# Altium PCB QuadroRiser.PcbDoc (part 3 of 3)
Units mil, origin at the board's own origin, x right, y up, seen from the top; angles counter-clockwise.
Board outline 3704.72 x 1651.89 mil, 4 copper layers (Top Layer, Power Plane, Ground Plane, Bottom Layer), stack 61.634 mil thick; 2 components, 91 nets, 330 pads, 57 vias.
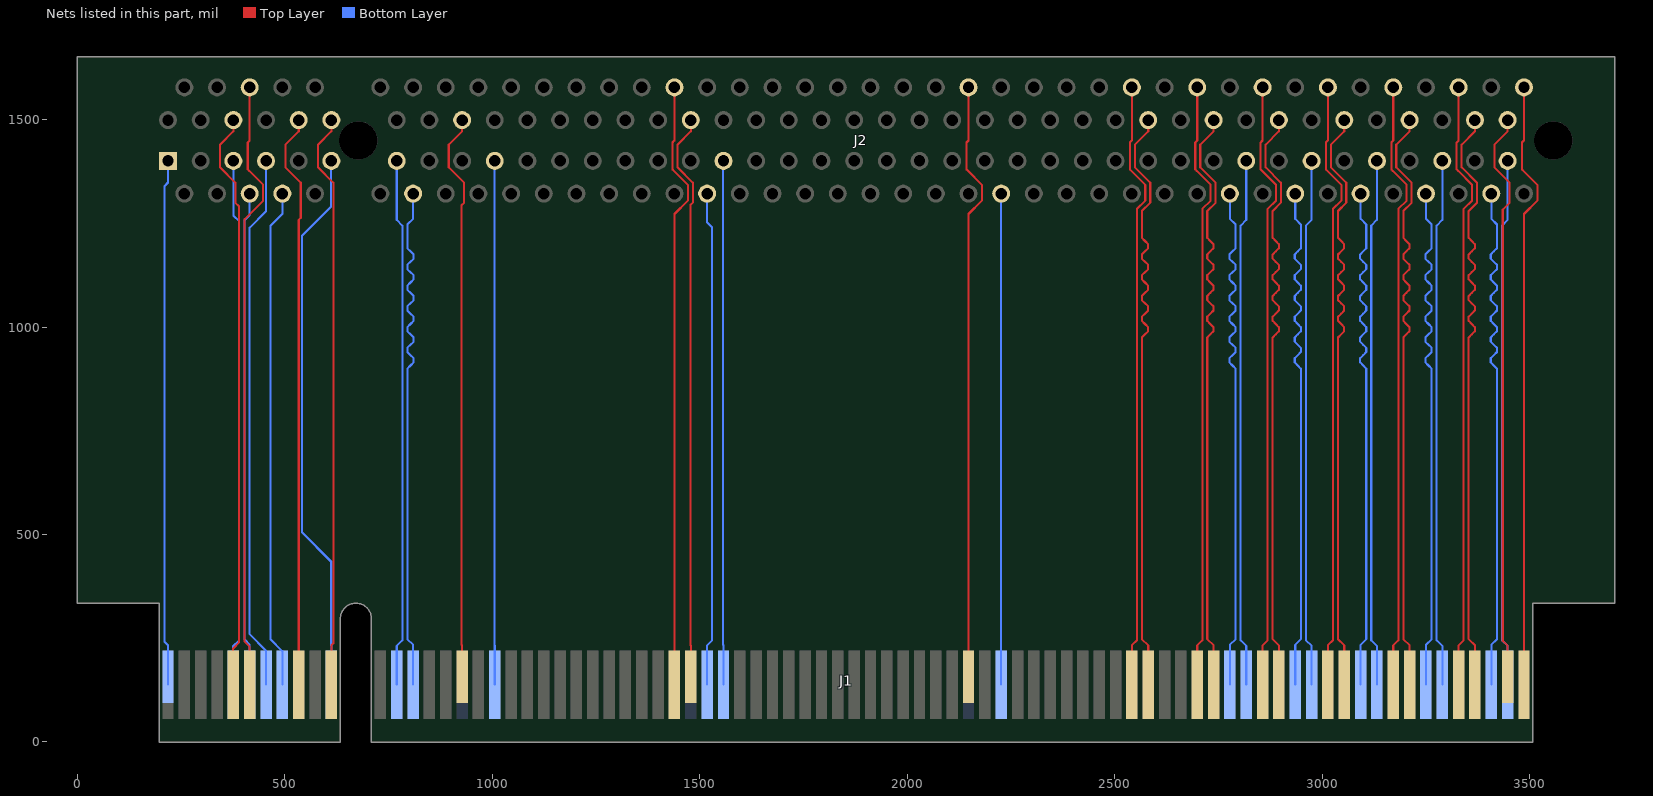
[diagram p5: the nets of this part, all layers, seen from the top]

## Via types
v1: diameter 25, hole 15, Top Layer to Bottom Layer, 57 vias

## Nets (pads, with @x,y where several pads share a name; then routed paths per layer and width w, separated by ;. In a path a pad name is that pad's centre, name@x,y a point inside that pad or via, vN(x,y) a via of type N, cw(c..) or ccw(c..) an arc to the next point about the centre after c; other vN are vias at no path point) (continued)
L10TX_N: J1.141 J2.141 | length 1813.1
  Top Layer w5: J1.141@2580.71,138.15 2580.71,232.83 2565.54,248 2565.54,934.72 ; J2.141@2580.71,1498.78 2580.71,1471.89 2548.54,1439.72 2548.54,1384.72 2585.54,1347.72 2585.54,1299.75 2565.54,1279.75 2565.54,1219.72 ; 2565.54,934.72 2565.54,957.22 ; 2565.54,934.72 2565.54,957.22 ; 2565.54,957.22 2565.54,974.72 ; 2565.54,957.22 2565.54,974.72 ; 2565.54,974.72 2573.04,982.22 ; 2565.54,974.72 2573.04,982.22 ; 2565.54,1014.72 2573.04,1007.22 ; 2565.54,1014.72 2565.54,1024.72 ; 2565.54,1014.72 2573.04,1007.22 ; 2565.54,1014.72 2565.54,1024.72 ; 2565.54,1024.72 2573.04,1032.22 ; 2565.54,1024.72 2573.04,1032.22 ; 2565.54,1064.72 2573.04,1057.22 ; 2565.54,1064.72 2565.54,1074.72 ; 2565.54,1064.72 2573.04,1057.22 ; 2565.54,1064.72 2565.54,1074.72 ; 2565.54,1074.72 2573.04,1082.22 ; 2565.54,1074.72 2573.04,1082.22 ; 2565.54,1114.72 2573.04,1107.22 ; 2565.54,1114.72 2565.54,1124.72 ; 2565.54,1114.72 2573.04,1107.22 ; 2565.54,1114.72 2565.54,1124.72 ; 2565.54,1124.72 2573.04,1132.22 ; 2565.54,1124.72 2573.04,1132.22 ; 2565.54,1164.72 2573.04,1157.22 ; 2565.54,1164.72 2565.54,1174.72 ; 2565.54,1164.72 2573.04,1157.22 ; 2565.54,1164.72 2565.54,1174.72 ; 2565.54,1174.72 2573.04,1182.22 ; 2565.54,1174.72 2573.04,1182.22 ; 2565.54,1214.72 2565.54,1219.72 ; 2565.54,1214.72 2573.04,1207.22 ; 2565.54,1214.72 2565.54,1219.72 ; 2565.54,1214.72 2573.04,1207.22 ; 2573.04,982.22 2580.54,989.72 ; 2573.04,982.22 2580.54,989.72 ; 2573.04,1007.22 2580.54,999.72 ; 2573.04,1007.22 2580.54,999.72 ; 2573.04,1032.22 2580.54,1039.72 ; 2573.04,1032.22 2580.54,1039.72 ; 2573.04,1057.22 2580.54,1049.72 ; 2573.04,1057.22 2580.54,1049.72 ; 2573.04,1082.22 2580.54,1089.72 ; 2573.04,1082.22 2580.54,1089.72 ; 2573.04,1107.22 2580.54,1099.72 ; 2573.04,1107.22 2580.54,1099.72 ; 2573.04,1132.22 2580.54,1139.72 ; 2573.04,1132.22 2580.54,1139.72 ; 2573.04,1157.22 2580.54,1149.72 ; 2573.04,1157.22 2580.54,1149.72 ; 2573.04,1182.22 2580.54,1189.72 ; 2573.04,1182.22 2580.54,1189.72 ; 2573.04,1207.22 2580.54,1199.72 ; 2573.04,1207.22 2580.54,1199.72 ; 2580.54,989.72 2580.54,999.72 ; 2580.54,989.72 2580.54,999.72 ; 2580.54,1039.72 2580.54,1049.72 ; 2580.54,1039.72 2580.54,1049.72 ; 2580.54,1089.72 2580.54,1099.72 ; 2580.54,1089.72 2580.54,1099.72 ; 2580.54,1139.72 2580.54,1149.72 ; 2580.54,1139.72 2580.54,1149.72 ; 2580.54,1189.72 2580.54,1199.72 ; 2580.54,1189.72 2580.54,1199.72
L10TX_P: J1.140 J2.140 | length 1475.3
  Top Layer w5: J1.140@2541.34,138.15 2541.34,232.79 2553.54,245 2553.54,962.5 ; J2.140@2541.34,1577.52 2541.34,1449.49 2540.06,1448.21 2536.54,1444.69 2536.54,1379.75 2540.06,1376.24 2573.54,1342.75 2573.54,1304.72 2553.54,1284.72 2553.54,1199.72 2553.54,1174.72 2553.54,1149.72 2553.54,1124.72 2553.54,1099.72 2553.54,1049.72 2553.54,999.72 2553.54,957.22
L11RX_N: J1.65 J2.65 | length 1278.8
  Bottom Layer w5: 2803.24,882.22 2803.24,899.72 2803.24,914.72 2803.24,924.72 2803.24,939.72 2803.24,949.72 2803.24,964.72 2803.24,974.72 2803.24,989.72 2803.24,999.72 2803.24,1014.72 2803.24,1024.72 2803.24,1039.72 2803.24,1049.72 2803.24,1064.72 2803.24,1074.72 2803.24,1089.72 2803.24,1099.72 2803.24,1114.72 2803.24,1124.72 2803.24,1139.72 2803.24,1149.72 2803.24,1164.72 2803.24,1174.72 2803.24,1189.72 2803.24,1207.22 2803.24,1219.72 2803.24,1244.46 2816.93,1258.15 J2.65@2816.93,1400.35 ; 2803.24,887.5 2803.24,245.26 2816.93,231.57 J1.65@2816.93,138.15
L11RX_P: J1.64 J2.64 | length 1269.4
  Bottom Layer w5: J1.64@2777.56,138.15 2777.56,234.05 2791.24,247.74 2791.24,879.72 2791.24,882.22 2791.24,899.72 2783.74,907.22 2776.24,914.72 2776.24,924.72 2783.74,932.22 2791.24,939.72 2791.24,949.72 2783.74,957.22 2776.24,964.72 2776.24,974.72 2783.74,982.22 2791.24,989.72 2791.24,999.72 2783.74,1007.22 2776.24,1014.72 2776.24,1024.72 2783.74,1032.22 2791.24,1039.72 2791.24,1049.72 2783.74,1057.22 2776.24,1064.72 2776.24,1074.72 2783.74,1082.22 2791.24,1089.72 2791.24,1099.72 2783.74,1107.22 2776.24,1114.72 2776.24,1124.72 2783.74,1132.22 2791.24,1139.72 2791.24,1149.72 2783.74,1157.22 2776.24,1164.72 2776.24,1174.72 2783.74,1182.22 2791.24,1189.72 2791.24,1207.22 2791.24,1219.72 2791.24,1246.98 2777.56,1260.67 J2.64@2777.56,1321.61
L11TX_N: J1.145 J2.145 | length 1813.1
  Top Layer w5: J1.145@2738.19,138.15 2738.19,232.83 2723.02,248 2723.02,934.72 ; J2.145@2738.19,1498.78 2738.19,1471.89 2706.02,1439.72 2706.02,1384.72 2743.02,1347.72 2743.02,1299.75 2723.02,1279.75 2723.02,1219.72 ; 2723.02,934.72 2723.02,957.22 ; 2723.02,934.72 2723.02,957.22 ; 2723.02,957.22 2723.02,974.72 ; 2723.02,957.22 2723.02,974.72 ; 2723.02,974.72 2730.52,982.22 ; 2723.02,974.72 2730.52,982.22 ; 2723.02,1014.72 2730.52,1007.22 ; 2723.02,1014.72 2723.02,1024.72 ; 2723.02,1014.72 2730.52,1007.22 ; 2723.02,1014.72 2723.02,1024.72 ; 2723.02,1024.72 2730.52,1032.22 ; 2723.02,1024.72 2730.52,1032.22 ; 2723.02,1064.72 2730.52,1057.22 ; 2723.02,1064.72 2723.02,1074.72 ; 2723.02,1064.72 2730.52,1057.22 ; 2723.02,1064.72 2723.02,1074.72 ; 2723.02,1074.72 2730.52,1082.22 ; 2723.02,1074.72 2730.52,1082.22 ; 2723.02,1114.72 2730.52,1107.22 ; 2723.02,1114.72 2723.02,1124.72 ; 2723.02,1114.72 2730.52,1107.22 ; 2723.02,1114.72 2723.02,1124.72 ; 2723.02,1124.72 2730.52,1132.22 ; 2723.02,1124.72 2730.52,1132.22 ; 2723.02,1164.72 2730.52,1157.22 ; 2723.02,1164.72 2723.02,1174.72 ; 2723.02,1164.72 2730.52,1157.22 ; 2723.02,1164.72 2723.02,1174.72 ; 2723.02,1174.72 2730.52,1182.22 ; 2723.02,1174.72 2730.52,1182.22 ; 2723.02,1214.72 2723.02,1219.72 ; 2723.02,1214.72 2730.52,1207.22 ; 2723.02,1214.72 2723.02,1219.72 ; 2723.02,1214.72 2730.52,1207.22 ; 2730.52,982.22 2738.02,989.72 ; 2730.52,982.22 2738.02,989.72 ; 2730.52,1007.22 2738.02,999.72 ; 2730.52,1007.22 2738.02,999.72 ; 2730.52,1032.22 2738.02,1039.72 ; 2730.52,1032.22 2738.02,1039.72 ; 2730.52,1057.22 2738.02,1049.72 ; 2730.52,1057.22 2738.02,1049.72 ; 2730.52,1082.22 2738.02,1089.72 ; 2730.52,1082.22 2738.02,1089.72 ; 2730.52,1107.22 2738.02,1099.72 ; 2730.52,1107.22 2738.02,1099.72 ; 2730.52,1132.22 2738.02,1139.72 ; 2730.52,1132.22 2738.02,1139.72 ; 2730.52,1157.22 2738.02,1149.72 ; 2730.52,1157.22 2738.02,1149.72 ; 2730.52,1182.22 2738.02,1189.72 ; 2730.52,1182.22 2738.02,1189.72 ; 2730.52,1207.22 2738.02,1199.72 ; 2730.52,1207.22 2738.02,1199.72 ; 2738.02,989.72 2738.02,999.72 ; 2738.02,989.72 2738.02,999.72 ; 2738.02,1039.72 2738.02,1049.72 ; 2738.02,1039.72 2738.02,1049.72 ; 2738.02,1089.72 2738.02,1099.72 ; 2738.02,1089.72 2738.02,1099.72 ; 2738.02,1139.72 2738.02,1149.72 ; 2738.02,1139.72 2738.02,1149.72 ; 2738.02,1189.72 2738.02,1199.72 ; 2738.02,1189.72 2738.02,1199.72
L11TX_P: J1.144 J2.144 | length 1475.3
  Top Layer w5: J1.144@2698.82,138.15 2698.82,232.79 2711.02,245 2711.02,962.5 ; J2.144@2698.82,1577.52 2698.82,1449.49 2697.54,1448.21 2694.02,1444.69 2694.02,1379.75 2697.54,1376.24 2731.02,1342.75 2731.02,1304.72 2711.02,1284.72 2711.02,1199.72 2711.02,1174.72 2711.02,1149.72 2711.02,1124.72 2711.02,1099.72 2711.02,1049.72 2711.02,999.72 2711.02,957.22
L12RX_N: J1.69 J2.69 | length 1278.8
  Bottom Layer w5: 2960.72,882.22 2960.72,899.72 2960.72,914.72 2960.72,924.72 2960.72,939.72 2960.72,949.72 2960.72,964.72 2960.72,974.72 2960.72,989.72 2960.72,999.72 2960.72,1014.72 2960.72,1024.72 2960.72,1039.72 2960.72,1049.72 2960.72,1064.72 2960.72,1074.72 2960.72,1089.72 2960.72,1099.72 2960.72,1114.72 2960.72,1124.72 2960.72,1139.72 2960.72,1149.72 2960.72,1164.72 2960.72,1174.72 2960.72,1189.72 2960.72,1207.22 2960.72,1219.72 2960.72,1244.46 2974.41,1258.15 J2.69@2974.41,1400.35 ; 2960.72,887.5 2960.72,245.26 2974.41,231.57 J1.69@2974.41,138.15
L12RX_P: J1.68 J2.68 | length 1269.4
  Bottom Layer w5: J1.68@2935.04,138.15 2935.04,234.05 2948.72,247.74 2948.72,879.72 2948.72,882.22 2948.72,899.72 2941.22,907.22 2933.72,914.72 2933.72,924.72 2941.22,932.22 2948.72,939.72 2948.72,949.72 2941.22,957.22 2933.72,964.72 2933.72,974.72 2941.22,982.22 2948.72,989.72 2948.72,999.72 2941.22,1007.22 2933.72,1014.72 2933.72,1024.72 2941.22,1032.22 2948.72,1039.72 2948.72,1049.72 2941.22,1057.22 2933.72,1064.72 2933.72,1074.72 2941.22,1082.22 2948.72,1089.72 2948.72,1099.72 2941.22,1107.22 2933.72,1114.72 2933.72,1124.72 2941.22,1132.22 2948.72,1139.72 2948.72,1149.72 2941.22,1157.22 2933.72,1164.72 2933.72,1174.72 2941.22,1182.22 2948.72,1189.72 2948.72,1207.22 2948.72,1219.72 2948.72,1246.98 2935.04,1260.67 J2.68@2935.04,1321.61
L12TX_N: J1.149 J2.149 | length 1813.1
  Top Layer w5: J1.149@2895.67,138.15 2895.67,232.83 2880.5,248 2880.5,934.72 ; J2.149@2895.67,1498.78 2895.67,1471.89 2863.5,1439.72 2863.5,1384.72 2900.5,1347.72 2900.5,1299.75 2880.5,1279.75 2880.5,1219.72 ; 2880.5,934.72 2880.5,957.22 ; 2880.5,934.72 2880.5,957.22 ; 2880.5,957.22 2880.5,974.72 ; 2880.5,957.22 2880.5,974.72 ; 2880.5,974.72 2888,982.22 ; 2880.5,974.72 2888,982.22 ; 2880.5,1014.72 2888,1007.22 ; 2880.5,1014.72 2880.5,1024.72 ; 2880.5,1014.72 2888,1007.22 ; 2880.5,1014.72 2880.5,1024.72 ; 2880.5,1024.72 2888,1032.22 ; 2880.5,1024.72 2888,1032.22 ; 2880.5,1064.72 2888,1057.22 ; 2880.5,1064.72 2880.5,1074.72 ; 2880.5,1064.72 2888,1057.22 ; 2880.5,1064.72 2880.5,1074.72 ; 2880.5,1074.72 2888,1082.22 ; 2880.5,1074.72 2888,1082.22 ; 2880.5,1114.72 2888,1107.22 ; 2880.5,1114.72 2880.5,1124.72 ; 2880.5,1114.72 2888,1107.22 ; 2880.5,1114.72 2880.5,1124.72 ; 2880.5,1124.72 2888,1132.22 ; 2880.5,1124.72 2888,1132.22 ; 2880.5,1164.72 2888,1157.22 ; 2880.5,1164.72 2880.5,1174.72 ; 2880.5,1164.72 2888,1157.22 ; 2880.5,1164.72 2880.5,1174.72 ; 2880.5,1174.72 2888,1182.22 ; 2880.5,1174.72 2888,1182.22 ; 2880.5,1214.72 2880.5,1219.72 ; 2880.5,1214.72 2888,1207.22 ; 2880.5,1214.72 2880.5,1219.72 ; 2880.5,1214.72 2888,1207.22 ; 2888,982.22 2895.5,989.72 ; 2888,982.22 2895.5,989.72 ; 2888,1007.22 2895.5,999.72 ; 2888,1007.22 2895.5,999.72 ; 2888,1032.22 2895.5,1039.72 ; 2888,1032.22 2895.5,1039.72 ; 2888,1057.22 2895.5,1049.72 ; 2888,1057.22 2895.5,1049.72 ; 2888,1082.22 2895.5,1089.72 ; 2888,1082.22 2895.5,1089.72 ; 2888,1107.22 2895.5,1099.72 ; 2888,1107.22 2895.5,1099.72 ; 2888,1132.22 2895.5,1139.72 ; 2888,1132.22 2895.5,1139.72 ; 2888,1157.22 2895.5,1149.72 ; 2888,1157.22 2895.5,1149.72 ; 2888,1182.22 2895.5,1189.72 ; 2888,1182.22 2895.5,1189.72 ; 2888,1207.22 2895.5,1199.72 ; 2888,1207.22 2895.5,1199.72 ; 2895.5,989.72 2895.5,999.72 ; 2895.5,989.72 2895.5,999.72 ; 2895.5,1039.72 2895.5,1049.72 ; 2895.5,1039.72 2895.5,1049.72 ; 2895.5,1089.72 2895.5,1099.72 ; 2895.5,1089.72 2895.5,1099.72 ; 2895.5,1139.72 2895.5,1149.72 ; 2895.5,1139.72 2895.5,1149.72 ; 2895.5,1189.72 2895.5,1199.72 ; 2895.5,1189.72 2895.5,1199.72
L12TX_P: J1.148 J2.148 | length 1475.3
  Top Layer w5: J1.148@2856.3,138.15 2856.3,232.79 2868.5,245 2868.5,962.5 ; J2.148@2856.3,1577.52 2856.3,1449.49 2855.02,1448.21 2851.5,1444.69 2851.5,1379.75 2855.02,1376.24 2888.5,1342.75 2888.5,1304.72 2868.5,1284.72 2868.5,1199.72 2868.5,1174.72 2868.5,1149.72 2868.5,1124.72 2868.5,1099.72 2868.5,1049.72 2868.5,999.72 2868.5,957.22
L13RX_N: J1.73 J2.73 | length 1278.8
  Bottom Layer w5: 3118.2,882.22 3118.2,899.72 3118.2,914.72 3118.2,924.72 3118.2,939.72 3118.2,949.72 3118.2,964.72 3118.2,974.72 3118.2,989.72 3118.2,999.72 3118.2,1014.72 3118.2,1024.72 3118.2,1039.72 3118.2,1049.72 3118.2,1064.72 3118.2,1074.72 3118.2,1089.72 3118.2,1099.72 3118.2,1114.72 3118.2,1124.72 3118.2,1139.72 3118.2,1149.72 3118.2,1164.72 3118.2,1174.72 3118.2,1189.72 3118.2,1207.22 3118.2,1219.72 3118.2,1244.46 3131.89,1258.15 J2.73@3131.89,1400.35 ; 3118.2,887.5 3118.2,245.26 3131.89,231.57 J1.73@3131.89,138.15
L13RX_P: J1.72 J2.72 | length 1269.4
  Bottom Layer w5: J1.72@3092.52,138.15 3092.52,234.05 3106.2,247.74 3106.2,879.72 3106.2,882.22 3106.2,899.72 3098.7,907.22 3091.2,914.72 3091.2,924.72 3098.7,932.22 3106.2,939.72 3106.2,949.72 3098.7,957.22 3091.2,964.72 3091.2,974.72 3098.7,982.22 3106.2,989.72 3106.2,999.72 3098.7,1007.22 3091.2,1014.72 3091.2,1024.72 3098.7,1032.22 3106.2,1039.72 3106.2,1049.72 3098.7,1057.22 3091.2,1064.72 3091.2,1074.72 3098.7,1082.22 3106.2,1089.72 3106.2,1099.72 3098.7,1107.22 3091.2,1114.72 3091.2,1124.72 3098.7,1132.22 3106.2,1139.72 3106.2,1149.72 3098.7,1157.22 3091.2,1164.72 3091.2,1174.72 3098.7,1182.22 3106.2,1189.72 3106.2,1207.22 3106.2,1219.72 3106.2,1246.98 3092.52,1260.67 J2.72@3092.52,1321.61
L13TX_N: J1.153 J2.153 | length 1813.1
  Top Layer w5: J1.153@3053.15,138.15 3053.15,232.83 3037.98,248 3037.98,934.72 ; J2.153@3053.15,1498.78 3053.15,1471.89 3020.98,1439.72 3020.98,1384.72 3057.98,1347.72 3057.98,1299.75 3037.98,1279.75 3037.98,1219.72 ; 3037.98,934.72 3037.98,957.22 ; 3037.98,934.72 3037.98,957.22 ; 3037.98,957.22 3037.98,974.72 ; 3037.98,957.22 3037.98,974.72 ; 3037.98,974.72 3045.48,982.22 ; 3037.98,974.72 3045.48,982.22 ; 3037.98,1014.72 3045.48,1007.22 ; 3037.98,1014.72 3037.98,1024.72 ; 3037.98,1014.72 3045.48,1007.22 ; 3037.98,1014.72 3037.98,1024.72 ; 3037.98,1024.72 3045.48,1032.22 ; 3037.98,1024.72 3045.48,1032.22 ; 3037.98,1064.72 3045.48,1057.22 ; 3037.98,1064.72 3037.98,1074.72 ; 3037.98,1064.72 3045.48,1057.22 ; 3037.98,1064.72 3037.98,1074.72 ; 3037.98,1074.72 3045.48,1082.22 ; 3037.98,1074.72 3045.48,1082.22 ; 3037.98,1114.72 3045.48,1107.22 ; 3037.98,1114.72 3037.98,1124.72 ; 3037.98,1114.72 3045.48,1107.22 ; 3037.98,1114.72 3037.98,1124.72 ; 3037.98,1124.72 3045.48,1132.22 ; 3037.98,1124.72 3045.48,1132.22 ; 3037.98,1164.72 3045.48,1157.22 ; 3037.98,1164.72 3037.98,1174.72 ; 3037.98,1164.72 3045.48,1157.22 ; 3037.98,1164.72 3037.98,1174.72 ; 3037.98,1174.72 3045.48,1182.22 ; 3037.98,1174.72 3045.48,1182.22 ; 3037.98,1214.72 3037.98,1219.72 ; 3037.98,1214.72 3045.48,1207.22 ; 3037.98,1214.72 3037.98,1219.72 ; 3037.98,1214.72 3045.48,1207.22 ; 3045.48,982.22 3052.98,989.72 ; 3045.48,982.22 3052.98,989.72 ; 3045.48,1007.22 3052.98,999.72 ; 3045.48,1007.22 3052.98,999.72 ; 3045.48,1032.22 3052.98,1039.72 ; 3045.48,1032.22 3052.98,1039.72 ; 3045.48,1057.22 3052.98,1049.72 ; 3045.48,1057.22 3052.98,1049.72 ; 3045.48,1082.22 3052.98,1089.72 ; 3045.48,1082.22 3052.98,1089.72 ; 3045.48,1107.22 3052.98,1099.72 ; 3045.48,1107.22 3052.98,1099.72 ; 3045.48,1132.22 3052.98,1139.72 ; 3045.48,1132.22 3052.98,1139.72 ; 3045.48,1157.22 3052.98,1149.72 ; 3045.48,1157.22 3052.98,1149.72 ; 3045.48,1182.22 3052.98,1189.72 ; 3045.48,1182.22 3052.98,1189.72 ; 3045.48,1207.22 3052.98,1199.72 ; 3045.48,1207.22 3052.98,1199.72 ; 3052.98,989.72 3052.98,999.72 ; 3052.98,989.72 3052.98,999.72 ; 3052.98,1039.72 3052.98,1049.72 ; 3052.98,1039.72 3052.98,1049.72 ; 3052.98,1089.72 3052.98,1099.72 ; 3052.98,1089.72 3052.98,1099.72 ; 3052.98,1139.72 3052.98,1149.72 ; 3052.98,1139.72 3052.98,1149.72 ; 3052.98,1189.72 3052.98,1199.72 ; 3052.98,1189.72 3052.98,1199.72
L13TX_P: J1.152 J2.152 | length 1475.3
  Top Layer w5: J1.152@3013.78,138.15 3013.78,232.79 3025.98,245 3025.98,962.5 ; J2.152@3013.78,1577.52 3013.78,1449.49 3012.5,1448.21 3008.98,1444.69 3008.98,1379.75 3012.5,1376.24 3045.98,1342.75 3045.98,1304.72 3025.98,1284.72 3025.98,1199.72 3025.98,1174.72 3025.98,1149.72 3025.98,1124.72 3025.98,1099.72 3025.98,1049.72 3025.98,999.72 3025.98,957.22
L14RX_N: J1.77 J2.77 | length 1278.8
  Bottom Layer w5: 3275.68,882.22 3275.68,899.72 3275.68,914.72 3275.68,924.72 3275.68,939.72 3275.68,949.72 3275.68,964.72 3275.68,974.72 3275.68,989.72 3275.68,999.72 3275.68,1014.72 3275.68,1024.72 3275.68,1039.72 3275.68,1049.72 3275.68,1064.72 3275.68,1074.72 3275.68,1089.72 3275.68,1099.72 3275.68,1114.72 3275.68,1124.72 3275.68,1139.72 3275.68,1149.72 3275.68,1164.72 3275.68,1174.72 3275.68,1189.72 3275.68,1207.22 3275.68,1219.72 3275.68,1244.46 3289.37,1258.15 J2.77@3289.37,1400.35 ; 3275.68,887.5 3275.68,245.26 3289.37,231.57 J1.77@3289.37,138.15
L14RX_P: J1.76 J2.76 | length 1269.4
  Bottom Layer w5: J1.76@3250,138.15 3250,234.05 3263.68,247.74 3263.68,879.72 3263.68,882.22 3263.68,899.72 3256.18,907.22 3248.68,914.72 3248.68,924.72 3256.18,932.22 3263.68,939.72 3263.68,949.72 3256.18,957.22 3248.68,964.72 3248.68,974.72 3256.18,982.22 3263.68,989.72 3263.68,999.72 3256.18,1007.22 3248.68,1014.72 3248.68,1024.72 3256.18,1032.22 3263.68,1039.72 3263.68,1049.72 3256.18,1057.22 3248.68,1064.72 3248.68,1074.72 3256.18,1082.22 3263.68,1089.72 3263.68,1099.72 3256.18,1107.22 3248.68,1114.72 3248.68,1124.72 3256.18,1132.22 3263.68,1139.72 3263.68,1149.72 3256.18,1157.22 3248.68,1164.72 3248.68,1174.72 3256.18,1182.22 3263.68,1189.72 3263.68,1207.22 3263.68,1219.72 3263.68,1246.98 3250,1260.67 J2.76@3250,1321.61
L14TX_N: J1.157 J2.157 | length 1813.1
  Top Layer w5: J1.157@3210.63,138.15 3210.63,232.83 3195.46,248 3195.46,934.72 ; J2.157@3210.63,1498.78 3210.63,1471.89 3178.46,1439.72 3178.46,1384.72 3215.46,1347.72 3215.46,1299.75 3195.46,1279.75 3195.46,1219.72 ; 3195.46,934.72 3195.46,957.22 ; 3195.46,934.72 3195.46,957.22 ; 3195.46,957.22 3195.46,974.72 ; 3195.46,957.22 3195.46,974.72 ; 3195.46,974.72 3202.96,982.22 ; 3195.46,974.72 3202.96,982.22 ; 3195.46,1014.72 3202.96,1007.22 ; 3195.46,1014.72 3195.46,1024.72 ; 3195.46,1014.72 3202.96,1007.22 ; 3195.46,1014.72 3195.46,1024.72 ; 3195.46,1024.72 3202.96,1032.22 ; 3195.46,1024.72 3202.96,1032.22 ; 3195.46,1064.72 3202.96,1057.22 ; 3195.46,1064.72 3195.46,1074.72 ; 3195.46,1064.72 3202.96,1057.22 ; 3195.46,1064.72 3195.46,1074.72 ; 3195.46,1074.72 3202.96,1082.22 ; 3195.46,1074.72 3202.96,1082.22 ; 3195.46,1114.72 3202.96,1107.22 ; 3195.46,1114.72 3195.46,1124.72 ; 3195.46,1114.72 3202.96,1107.22 ; 3195.46,1114.72 3195.46,1124.72 ; 3195.46,1124.72 3202.96,1132.22 ; 3195.46,1124.72 3202.96,1132.22 ; 3195.46,1164.72 3202.96,1157.22 ; 3195.46,1164.72 3195.46,1174.72 ; 3195.46,1164.72 3202.96,1157.22 ; 3195.46,1164.72 3195.46,1174.72 ; 3195.46,1174.72 3202.96,1182.22 ; 3195.46,1174.72 3202.96,1182.22 ; 3195.46,1214.72 3195.46,1219.72 ; 3195.46,1214.72 3202.96,1207.22 ; 3195.46,1214.72 3195.46,1219.72 ; 3195.46,1214.72 3202.96,1207.22 ; 3202.96,982.22 3210.46,989.72 ; 3202.96,982.22 3210.46,989.72 ; 3202.96,1007.22 3210.46,999.72 ; 3202.96,1007.22 3210.46,999.72 ; 3202.96,1032.22 3210.46,1039.72 ; 3202.96,1032.22 3210.46,1039.72 ; 3202.96,1057.22 3210.46,1049.72 ; 3202.96,1057.22 3210.46,1049.72 ; 3202.96,1082.22 3210.46,1089.72 ; 3202.96,1082.22 3210.46,1089.72 ; 3202.96,1107.22 3210.46,1099.72 ; 3202.96,1107.22 3210.46,1099.72 ; 3202.96,1132.22 3210.46,1139.72 ; 3202.96,1132.22 3210.46,1139.72 ; 3202.96,1157.22 3210.46,1149.72 ; 3202.96,1157.22 3210.46,1149.72 ; 3202.96,1182.22 3210.46,1189.72 ; 3202.96,1182.22 3210.46,1189.72 ; 3202.96,1207.22 3210.46,1199.72 ; 3202.96,1207.22 3210.46,1199.72 ; 3210.46,989.72 3210.46,999.72 ; 3210.46,989.72 3210.46,999.72 ; 3210.46,1039.72 3210.46,1049.72 ; 3210.46,1039.72 3210.46,1049.72 ; 3210.46,1089.72 3210.46,1099.72 ; 3210.46,1089.72 3210.46,1099.72 ; 3210.46,1139.72 3210.46,1149.72 ; 3210.46,1139.72 3210.46,1149.72 ; 3210.46,1189.72 3210.46,1199.72 ; 3210.46,1189.72 3210.46,1199.72
L14TX_P: J1.156 J2.156 | length 1475.3
  Top Layer w5: J1.156@3171.26,138.15 3171.26,232.79 3183.46,245 3183.46,962.5 ; J2.156@3171.26,1577.52 3171.26,1449.49 3169.98,1448.21 3166.46,1444.69 3166.46,1379.75 3169.98,1376.24 3203.46,1342.75 3203.46,1304.72 3183.46,1284.72 3183.46,1199.72 3183.46,1174.72 3183.46,1149.72 3183.46,1124.72 3183.46,1099.72 3183.46,1049.72 3183.46,999.72 3183.46,957.22
L15RX_N: J1.81 J2.81 | length 1278.8
  Bottom Layer w5: 3433.16,882.22 3433.16,899.72 3433.16,914.72 3433.16,924.72 3433.16,939.72 3433.16,949.72 3433.16,964.72 3433.16,974.72 3433.16,989.72 3433.16,999.72 3433.16,1014.72 3433.16,1024.72 3433.16,1039.72 3433.16,1049.72 3433.16,1064.72 3433.16,1074.72 3433.16,1089.72 3433.16,1099.72 3433.16,1114.72 3433.16,1124.72 3433.16,1139.72 3433.16,1149.72 3433.16,1164.72 3433.16,1174.72 3433.16,1189.72 3433.16,1207.22 3433.16,1219.72 3433.16,1244.46 3446.85,1258.15 J2.81@3446.85,1400.35 ; 3433.16,887.5 3433.16,245.26 3446.85,231.57 J1.81@3446.85,138.15
L15RX_P: J1.80 J2.80 | length 1269.4
  Bottom Layer w5: J1.80@3407.48,138.15 3407.48,234.05 3421.16,247.74 3421.16,879.72 3421.16,882.22 3421.16,899.72 3413.66,907.22 3406.16,914.72 3406.16,924.72 3413.66,932.22 3421.16,939.72 3421.16,949.72 3413.66,957.22 3406.16,964.72 3406.16,974.72 3413.66,982.22 3421.16,989.72 3421.16,999.72 3413.66,1007.22 3406.16,1014.72 3406.16,1024.72 3413.66,1032.22 3421.16,1039.72 3421.16,1049.72 3413.66,1057.22 3406.16,1064.72 3406.16,1074.72 3413.66,1082.22 3421.16,1089.72 3421.16,1099.72 3413.66,1107.22 3406.16,1114.72 3406.16,1124.72 3413.66,1132.22 3421.16,1139.72 3421.16,1149.72 3413.66,1157.22 3406.16,1164.72 3406.16,1174.72 3413.66,1182.22 3421.16,1189.72 3421.16,1207.22 3421.16,1219.72 3421.16,1246.98 3407.48,1260.67 J2.80@3407.48,1321.61
L15TX_N: J1.161 J2.161 | length 1813.1
  Top Layer w5: J1.161@3368.11,138.15 3368.11,232.83 3352.94,248 3352.94,934.72 ; J2.161@3368.11,1498.78 3368.11,1471.89 3335.94,1439.72 3335.94,1384.72 3372.94,1347.72 3372.94,1299.75 3352.94,1279.75 3352.94,1219.72 ; 3352.94,934.72 3352.94,957.22 ; 3352.94,934.72 3352.94,957.22 ; 3352.94,957.22 3352.94,974.72 ; 3352.94,957.22 3352.94,974.72 ; 3352.94,974.72 3360.44,982.22 ; 3352.94,974.72 3360.44,982.22 ; 3352.94,1014.72 3360.44,1007.22 ; 3352.94,1014.72 3352.94,1024.72 ; 3352.94,1014.72 3360.44,1007.22 ; 3352.94,1014.72 3352.94,1024.72 ; 3352.94,1024.72 3360.44,1032.22 ; 3352.94,1024.72 3360.44,1032.22 ; 3352.94,1064.72 3360.44,1057.22 ; 3352.94,1064.72 3352.94,1074.72 ; 3352.94,1064.72 3360.44,1057.22 ; 3352.94,1064.72 3352.94,1074.72 ; 3352.94,1074.72 3360.44,1082.22 ; 3352.94,1074.72 3360.44,1082.22 ; 3352.94,1114.72 3360.44,1107.22 ; 3352.94,1114.72 3352.94,1124.72 ; 3352.94,1114.72 3360.44,1107.22 ; 3352.94,1114.72 3352.94,1124.72 ; 3352.94,1124.72 3360.44,1132.22 ; 3352.94,1124.72 3360.44,1132.22 ; 3352.94,1164.72 3360.44,1157.22 ; 3352.94,1164.72 3352.94,1174.72 ; 3352.94,1164.72 3360.44,1157.22 ; 3352.94,1164.72 3352.94,1174.72 ; 3352.94,1174.72 3360.44,1182.22 ; 3352.94,1174.72 3360.44,1182.22 ; 3352.94,1214.72 3352.94,1219.72 ; 3352.94,1214.72 3360.44,1207.22 ; 3352.94,1214.72 3352.94,1219.72 ; 3352.94,1214.72 3360.44,1207.22 ; 3360.44,982.22 3367.94,989.72 ; 3360.44,982.22 3367.94,989.72 ; 3360.44,1007.22 3367.94,999.72 ; 3360.44,1007.22 3367.94,999.72 ; 3360.44,1032.22 3367.94,1039.72 ; 3360.44,1032.22 3367.94,1039.72 ; 3360.44,1057.22 3367.94,1049.72 ; 3360.44,1057.22 3367.94,1049.72 ; 3360.44,1082.22 3367.94,1089.72 ; 3360.44,1082.22 3367.94,1089.72 ; 3360.44,1107.22 3367.94,1099.72 ; 3360.44,1107.22 3367.94,1099.72 ; 3360.44,1132.22 3367.94,1139.72 ; 3360.44,1132.22 3367.94,1139.72 ; 3360.44,1157.22 3367.94,1149.72 ; 3360.44,1157.22 3367.94,1149.72 ; 3360.44,1182.22 3367.94,1189.72 ; 3360.44,1182.22 3367.94,1189.72 ; 3360.44,1207.22 3367.94,1199.72 ; 3360.44,1207.22 3367.94,1199.72 ; 3367.94,989.72 3367.94,999.72 ; 3367.94,989.72 3367.94,999.72 ; 3367.94,1039.72 3367.94,1049.72 ; 3367.94,1039.72 3367.94,1049.72 ; 3367.94,1089.72 3367.94,1099.72 ; 3367.94,1089.72 3367.94,1099.72 ; 3367.94,1139.72 3367.94,1149.72 ; 3367.94,1139.72 3367.94,1149.72 ; 3367.94,1189.72 3367.94,1199.72 ; 3367.94,1189.72 3367.94,1199.72
L15TX_P: J1.160 J2.160 | length 1475.3
  Top Layer w5: J1.160@3328.74,138.15 3328.74,232.79 3340.94,245 3340.94,962.5 ; J2.160@3328.74,1577.52 3328.74,1449.49 3327.46,1448.21 3323.94,1444.69 3323.94,1379.75 3327.46,1376.24 3360.94,1342.75 3360.94,1304.72 3340.94,1284.72 3340.94,1199.72 3340.94,1174.72 3340.94,1149.72 3340.94,1124.72 3340.94,1099.72 3340.94,1049.72 3340.94,999.72 3340.94,957.22
PERST#: J1.11 J2.11 | length 1617.4
  Bottom Layer w5: J2.11@611.3,1400.35 611.3,1289.72 541.3,1219.72 541.3,505 611.3,435 611.3,233.74 612.2,232.83 612.2,138.15 612.2,435
PRSNT1#: J1.1 J2.1 | length 1269.2
  Bottom Layer w5: J1.1@218.5,138.15 218.5,232.83 210,241.34 210,1339.72 218.5,1348.23 J2.1@218.5,1400.35
PRSNT2#_1: J1.99 J2.99 | length 1392
  Top Layer w5: J1.99@927.16,138.15 927.16,232.83 926.26,233.74 926.26,1294.01 932,1299.75 932,1347.72 895,1384.72 895,1439.72 927.16,1471.89 J2.99@927.16,1498.78
PRSNT2#_2: J1.113 J2.113 | length 1392
  Top Layer w5: J1.113@1478.35,138.15 1478.35,232.83 1477.44,233.74 1477.44,1294.01 1483.18,1299.75 1483.18,1347.72 1446.18,1384.72 1446.18,1439.72 1478.35,1471.89 J2.113@1478.35,1498.78
PRSNT2#_3: J1.130 J2.130 | length 1470
  Top Layer w5: J1.130@2147.64,138.15 2147.64,1272.52 2179.84,1304.72 2179.84,1342.75 2146.36,1376.24 2142.84,1379.75 2142.84,1444.69 2146.36,1448.21 2147.64,1449.49 J2.130@2147.64,1577.52
PRSNT2#_4: J1.163 J2.163 | length 1401.1
  Top Layer w5: J1.163@3446.85,138.15 3446.85,232.04 3435,243.89 3435,1283.07 3451.68,1299.75 3451.68,1347.72 3414.68,1384.72 3414.68,1439.72 3446.85,1471.89 J2.163@3446.85,1498.78
REFCLK_N: J1.14 J2.14 | length 1683.9
  Bottom Layer w5: J1.14@809.05,138.15 809.05,234.05 795.37,247.74 795.37,879.72 ; J2.14@809.05,1321.61 809.05,1260.67 795.37,1246.98 795.37,1219.72 ; 795.37,879.72 795.37,882.22 ; 795.37,879.72 795.37,882.22 ; 795.37,882.22 795.37,899.72 ; 795.37,882.22 795.37,899.72 ; 795.37,899.72 802.87,907.22 ; 795.37,899.72 802.87,907.22 ; 795.37,939.72 802.87,932.22 ; 795.37,939.72 795.37,949.72 ; 795.37,939.72 802.87,932.22 ; 795.37,939.72 795.37,949.72 ; 795.37,949.72 802.87,957.22 ; 795.37,949.72 802.87,957.22 ; 795.37,989.72 802.87,982.22 ; 795.37,989.72 795.37,999.72 ; 795.37,989.72 802.87,982.22 ; 795.37,989.72 795.37,999.72 ; 795.37,999.72 802.87,1007.22 ; 795.37,999.72 802.87,1007.22 ; 795.37,1039.72 802.87,1032.22 ; 795.37,1039.72 795.37,1049.72 ; 795.37,1039.72 802.87,1032.22 ; 795.37,1039.72 795.37,1049.72 ; 795.37,1049.72 802.87,1057.22 ; 795.37,1049.72 802.87,1057.22 ; 795.37,1089.72 802.87,1082.22 ; 795.37,1089.72 795.37,1099.72 ; 795.37,1089.72 802.87,1082.22 ; 795.37,1089.72 795.37,1099.72 ; 795.37,1099.72 802.87,1107.22 ; 795.37,1099.72 802.87,1107.22 ; 795.37,1139.72 802.87,1132.22 ; 795.37,1139.72 795.37,1149.72 ; 795.37,1139.72 802.87,1132.22 ; 795.37,1139.72 795.37,1149.72 ; 795.37,1149.72 802.87,1157.22 ; 795.37,1149.72 802.87,1157.22 ; 795.37,1189.72 802.87,1182.22 ; 795.37,1189.72 795.37,1207.22 ; 795.37,1189.72 802.87,1182.22 ; 795.37,1189.72 795.37,1207.22 ; 795.37,1207.22 795.37,1219.72 ; 795.37,1207.22 795.37,1219.72 ; 802.87,907.22 810.37,914.72 ; 802.87,907.22 810.37,914.72 ; 802.87,932.22 810.37,924.72 ; 802.87,932.22 810.37,924.72 ; 802.87,957.22 810.37,964.72 ; 802.87,957.22 810.37,964.72 ; 802.87,982.22 810.37,974.72 ; 802.87,982.22 810.37,974.72 ; 802.87,1007.22 810.37,1014.72 ; 802.87,1007.22 810.37,1014.72 ; 802.87,1032.22 810.37,1024.72 ; 802.87,1032.22 810.37,1024.72 ; 802.87,1057.22 810.37,1064.72 ; 802.87,1057.22 810.37,1064.72 ; 802.87,1082.22 810.37,1074.72 ; 802.87,1082.22 810.37,1074.72 ; 802.87,1107.22 810.37,1114.72 ; 802.87,1107.22 810.37,1114.72 ; 802.87,1132.22 810.37,1124.72 ; 802.87,1132.22 810.37,1124.72 ; 802.87,1157.22 810.37,1164.72 ; 802.87,1157.22 810.37,1164.72 ; 802.87,1182.22 810.37,1174.72 ; 802.87,1182.22 810.37,1174.72 ; 810.37,914.72 810.37,924.72 ; 810.37,914.72 810.37,924.72 ; 810.37,964.72 810.37,974.72 ; 810.37,964.72 810.37,974.72 ; 810.37,1014.72 810.37,1024.72 ; 810.37,1014.72 810.37,1024.72 ; 810.37,1064.72 810.37,1074.72 ; 810.37,1064.72 810.37,1074.72 ; 810.37,1114.72 810.37,1124.72 ; 810.37,1114.72 810.37,1124.72 ; 810.37,1164.72 810.37,1174.72 ; 810.37,1164.72 810.37,1174.72
REFCLK_P: J1.13 J2.13 | length 1278.8
  Bottom Layer w5: J1.13@769.68,138.15 769.68,231.57 783.37,245.26 783.37,887.5 ; J2.13@769.68,1400.35 769.68,1258.15 783.37,1244.46 783.37,1219.72 783.37,1207.22 783.37,1189.72 783.37,1174.72 783.37,1164.72 783.37,1149.72 783.37,1139.72 783.37,1124.72 783.37,1114.72 783.37,1099.72 783.37,1089.72 783.37,1074.72 783.37,1064.72 783.37,1049.72 783.37,1039.72 783.37,1024.72 783.37,1014.72 783.37,999.72 783.37,989.72 783.37,974.72 783.37,964.72 783.37,949.72 783.37,939.72 783.37,924.72 783.37,914.72 783.37,899.72 783.37,882.22
RESERVED1: J1.19 J2.19 | length 1262.6
  Bottom Layer w5: J2.19@1005,1400.35 1005,233.74 1005.91,232.83 J1.19@1005.91,138.15
RESERVED2: J1.32 J2.32 | length 1193.6
  Bottom Layer w5: J1.32@1517.72,138.15 1517.72,232.8 1529.92,245 1529.92,1239.8 1517.72,1252.01 J2.32@1517.72,1321.61
RESERVED3: J1.33 J2.33 | length 1262.6
  Bottom Layer w5: J2.33@1556.18,1400.35 1556.18,233.74 1557.09,232.83 J1.33@1557.09,138.15
RESERVED4: J1.50 J2.50 | length 1183.5
  Bottom Layer w5: J1.50@2226.38,138.15 J2.50@2226.38,1321.61
RESERVED5: J1.112 J2.112 | length 1470
  Top Layer w5: J1.112@1438.98,138.15 1438.98,1272.52 1471.18,1304.72 1471.18,1342.75 1437.7,1376.24 1434.18,1379.75 1434.18,1444.69 1437.7,1448.21 1438.98,1449.49 J2.112@1438.98,1577.52
RESERVED6: J1.164 J2.164 | length 1470
  Top Layer w5: J1.164@3486.22,138.15 3486.22,1272.52 3518.42,1304.72 3518.42,1342.75 3484.94,1376.24 3481.42,1379.75 3481.42,1444.69 3484.94,1448.21 3486.22,1449.49 J2.164@3486.22,1577.52
SMCLK: J1.87 J2.87 | length 1403.7
  Top Layer w5: J2.87@375.98,1498.78 375.98,1471.89 343.82,1439.72 343.82,1384.72 380.82,1347.72 380.82,1299.75 390,1290.57 390,240 375,225 375,148.8 J1.87@385.65,138.15
SMDAT: J1.88 J2.88 | length 1480.3
  Top Layer w5: J1.88@415.35,138.15 415.35,229.65 403,242 403,1260.17 447.56,1304.72 447.56,1342.75 414.07,1376.24 410.56,1379.75 410.56,1444.69 414.07,1448.21 415.35,1449.49 J2.88@415.35,1577.52
TCK: J1.5 J2.5 | length 1278.6
  Bottom Layer w5: J2.5@375.98,1400.35 375.98,1268.74 390,1254.72 390,245 375,230 375,148.8 J1.5@385.65,138.15
TDI: J1.6 J2.6 | length 1193.7
  Bottom Layer w5: J1.6@415.35,138.15 415.35,234.65 403,247 403,1257.72 415.35,1270.08 J2.6@415.35,1321.61
TDO: J1.7 J2.7 | length 1295.1
  Bottom Layer w5: J1.7@454.72,138.15 454.72,220.28 415,260 415,1239.72 454.72,1279.45 J2.7@454.72,1400.35
TMS: J1.8 J2.8 | length 1207.6
  Bottom Layer w5: J1.8@494.09,138.15 494.09,219.09 465,248.19 465,1243.43 494.09,1272.52 J2.8@494.09,1321.61
TRST#: J1.91 J2.91 | length 1391.3
  Top Layer w5: J1.91@533.46,138.15 533.46,1258.19 538.3,1263.02 538.3,1347.72 501.3,1384.72 501.3,1439.72 533.46,1471.89 J2.91@533.46,1498.78
WAKE#: J1.93 J2.93 | length 1391.3
  Top Layer w5: J1.93@612.2,138.15 612.2,232.83 617.04,237.67 617.04,1347.72 580.04,1384.72 580.04,1439.72 612.2,1471.89 J2.93@612.2,1498.78
pads on no net: J2.

## Polygon pours and split planes (outlines as drawn)
12V on Top Layer "12V_L01_P000" (solid, pour order 0): 310,235 205,235 205,380 310,380
GND on Top Layer "GND_L01_P006" (solid, pour order 6): 320,235 390,235 390,380 320,380
GND on Top Layer "GND_L01_P010" (solid, pour order 10): 420,235 465,235 465,380 420,380
3V3 on Top Layer "3V3_L01_P022" (solid, pour order 22): 470,380 530,380 530,245 530,235 470,235
12V on Bottom Layer "12V_L04_P004" (solid, pour order 4): 310,380 205,380 205,235 310,235
GND on Bottom Layer "GND_L04_P008" (solid, pour order 8): 320,380 380,380 380,235 320,235
3V3 on Bottom Layer "3V3_L04_P012" (solid, pour order 12): 470,235 610,235 610,380 470,380
GND on Ground Plane (split plane): 3684.63,354.59 3507.87,354.59 3503.95,354.2 3500.18,353.06 3496.71,351.2 3493.66,348.7 3491.16,345.65 3489.31,342.18 3488.16,338.41 3487.78,334.49 3487.78,19.94 728.76,19.94 728.76,297.09 728.74,297.24 728.39,303.52 727.31,309.88 725.53,316.07 723.06,322.03 719.94,327.67 716.21,332.93 711.91,337.74 707.11,342.04 701.85,345.77 696.2,348.89 690.25,351.35 684.05,353.14 677.7,354.22 671.26,354.58 664.82,354.22 658.47,353.14 652.27,351.35 646.31,348.89 640.67,345.77 635.41,342.04 630.61,337.74 626.31,332.93 622.58,327.67 619.46,322.03 616.99,316.07 615.21,309.88 614.13,303.52 613.78,297.24 613.76,297.09 613.76,19.94 216.95,19.94 216.95,334.49 216.56,338.41 215.42,342.18 213.56,345.65 211.06,348.7 208.02,351.2 204.54,353.06 200.77,354.2 196.85,354.59 20.1,354.59 20.1,1631.64 3684.63,1631.64
3V3A on Power Plane (split plane): 846.3,1563.33 846.69,1561.38 847.79,1559.72 849.44,1558.62 850.15,1558.48 850.29,1557.77 851.4,1556.12 889.9,1517.61 889.9,1381.84 851.4,1343.33 850.29,1341.68 849.9,1339.72 849.9,1301.84 827.89,1279.82 760,1279.82 758.05,1279.43 756.4,1278.33 587.89,1109.82 552.11,1109.82 530.1,1131.84 530.1,1177.61 648.6,1296.12 649.71,1297.77 650.1,1299.72 650.1,1424.72 649.71,1426.68 648.6,1428.33 540.1,1536.84 540.1,1631.64 846.3,1631.64
3V3 on Power Plane (split plane): 3684.63,354.59 3507.87,354.59 3503.95,354.2 3500.18,353.06 3496.71,351.2 3493.66,348.7 3491.16,345.65 3489.31,342.18 3488.16,338.41 3487.78,334.49 3487.78,19.94 728.76,19.94 728.76,297.09 728.74,297.24 728.39,303.52 727.31,309.88 725.53,316.07 723.06,322.03 719.94,327.67 716.21,332.93 711.91,337.74 707.11,342.04 701.85,345.77 696.2,348.89 690.25,351.35 684.05,353.14 677.7,354.22 671.26,354.58 664.82,354.22 658.47,353.14 652.27,351.35 646.31,348.89 640.67,345.77 635.41,342.04 630.61,337.74 626.31,332.93 622.58,327.67 619.46,322.03 616.99,316.07 615.21,309.88 614.13,303.52 613.78,297.24 613.76,297.09 613.76,19.94 380.1,19.94 380.1,1285.71 380.1,1337.61 418.6,1376.12 419.71,1377.77 420.1,1379.72 420.1,1519.72 419.71,1521.68 418.6,1523.33 380.1,1561.84 380.1,1631.64 529.9,1631.64 529.9,1534.72 530.29,1532.77 531.4,1531.12 639.9,1422.61 639.9,1301.84 521.4,1183.33 520.29,1181.68 519.9,1179.72 519.9,1129.72 520.29,1127.77 521.4,1126.12 546.4,1101.12 548.05,1100.02 550,1099.63 590,1099.63 591.95,1100.02 593.6,1101.12 762.11,1269.63 830,1269.63 831.95,1270.02 833.6,1271.12 858.6,1296.12 859.71,1297.77 860.1,1299.72 860.1,1337.61 898.6,1376.12 899.71,1377.77 900.1,1379.72 900.1,1519.72 899.71,1521.68 898.6,1523.33 858.6,1563.33 856.95,1564.43 856.49,1564.53 856.49,1631.64 3684.63,1631.64
12V on Power Plane (split plane): 369.9,1559.72 370.29,1557.77 371.4,1556.12 409.9,1517.61 409.9,1381.84 371.4,1343.33 370.29,1341.68 369.9,1339.72 369.9,1285.71 369.9,1280.43 369.9,19.94 216.95,19.94 216.95,334.49 216.56,338.41 215.42,342.18 213.56,345.65 211.06,348.7 208.02,351.2 204.54,353.06 200.77,354.2 196.85,354.59 20.1,354.59 20.1,1631.64 369.9,1631.64

## Other copper
Power Plane (plane layer: these items are gaps in the copper):
  lines w10: 375,-0.16 375,1285.71 ; 375,1280.43 375,1339.72 415,1379.72 415,1519.72 375,1559.72 375,1651.73 ; 535,1654.72 535,1534.72 645,1424.72 645,1299.72 525,1179.72 525,1129.72 550,1104.72 590,1104.72 760,1274.72 830,1274.72 855,1299.72 855,1339.72 895,1379.72 895,1519.72 855,1559.72 ; 851.4,1563.33 851.4,1650.34

## Silkscreen, mask and mechanical layers (free items; w line width, h text height)
Bottom Overlay:
  text "Quadro Riser /  / R2 - 2017 /  / Designed By: / David Zobel" at 2205,495 h60
Mechanical 1:
  the board outline again, w3.94